# Altium PCB sensor.PcbDoc (part 1 of 3)
Units mil, origin at the board's own origin, x right, y up, seen from the top; angles counter-clockwise.
Board outline 3543.31 x 2755.91 mil, 6 copper layers (TOP, GND1, Sig1, Sig2, GND2, BOT), stack 32.112 mil thick; 126 components, 166 nets, 714 pads, 273 vias.
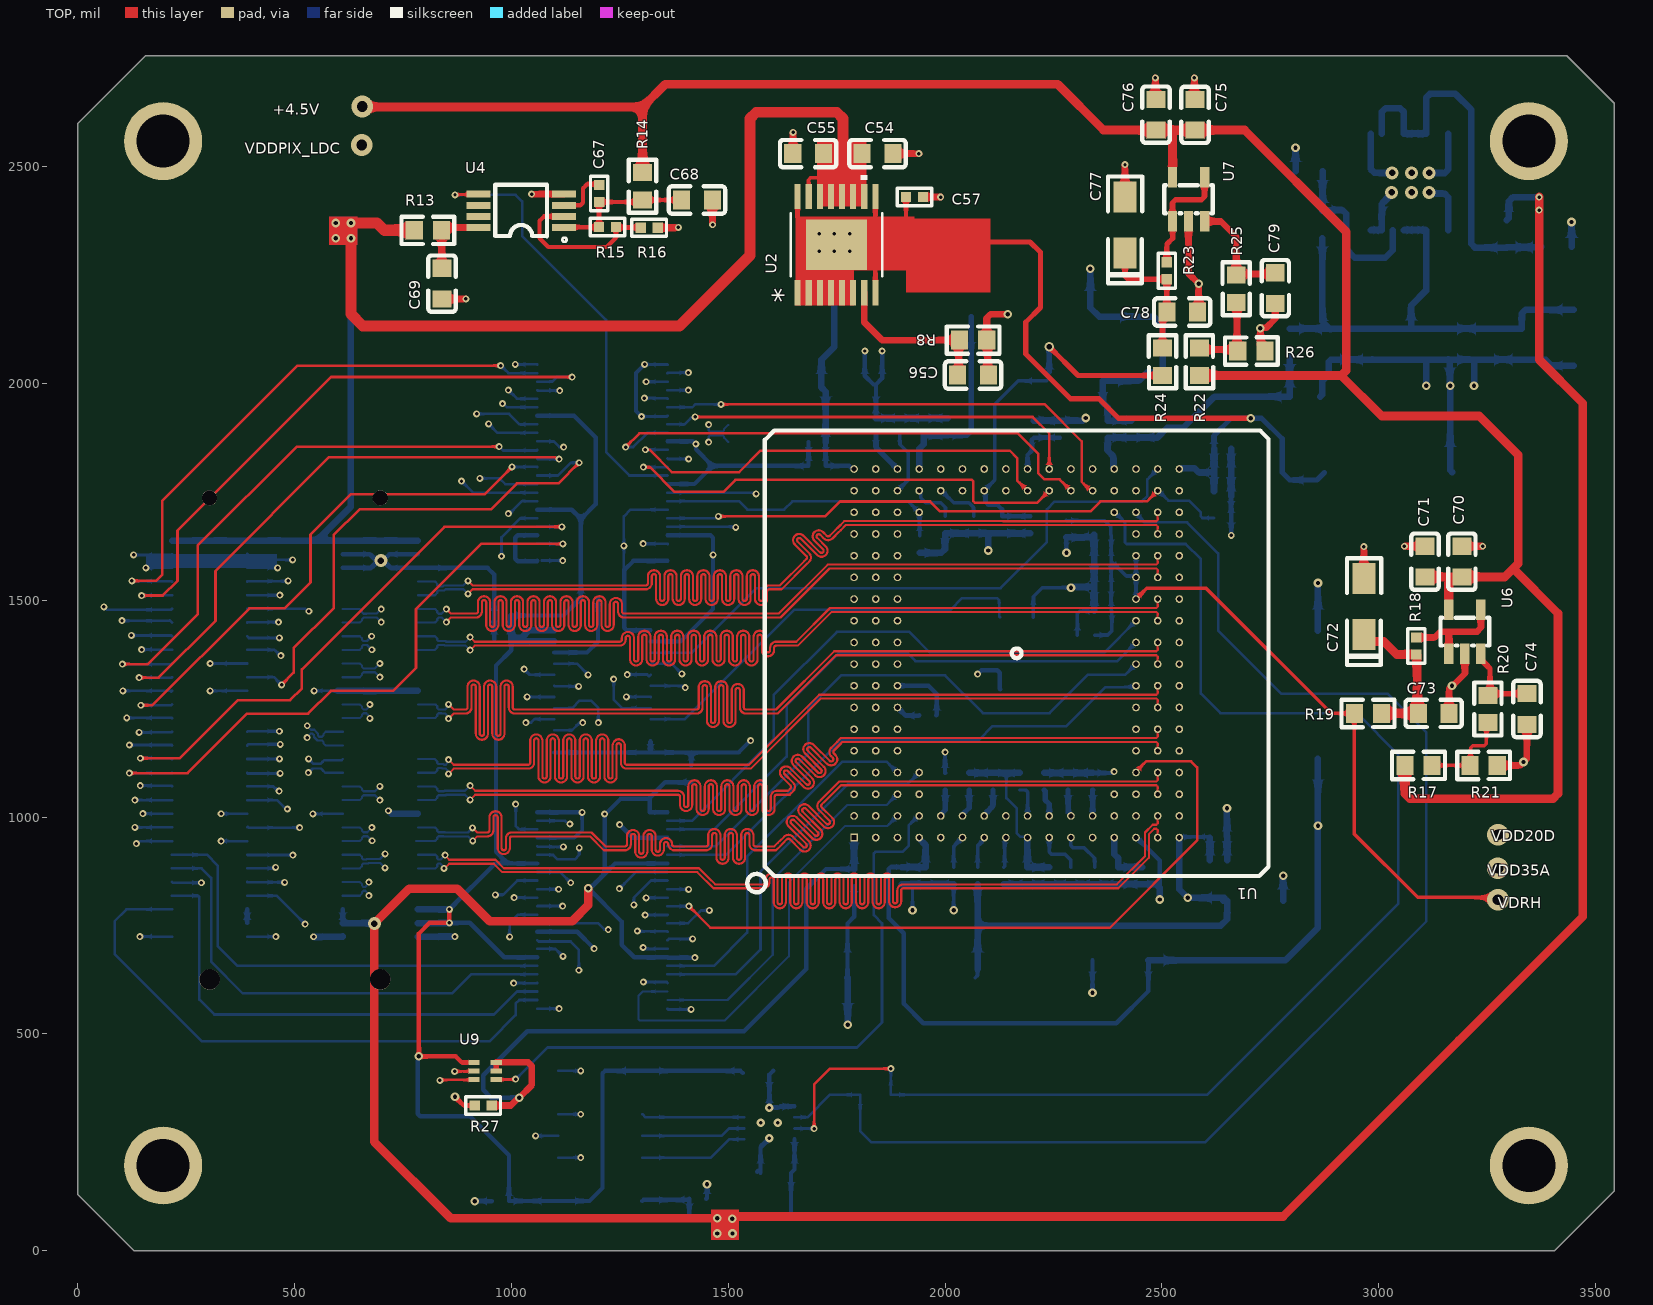
[diagram p0: TOP view]
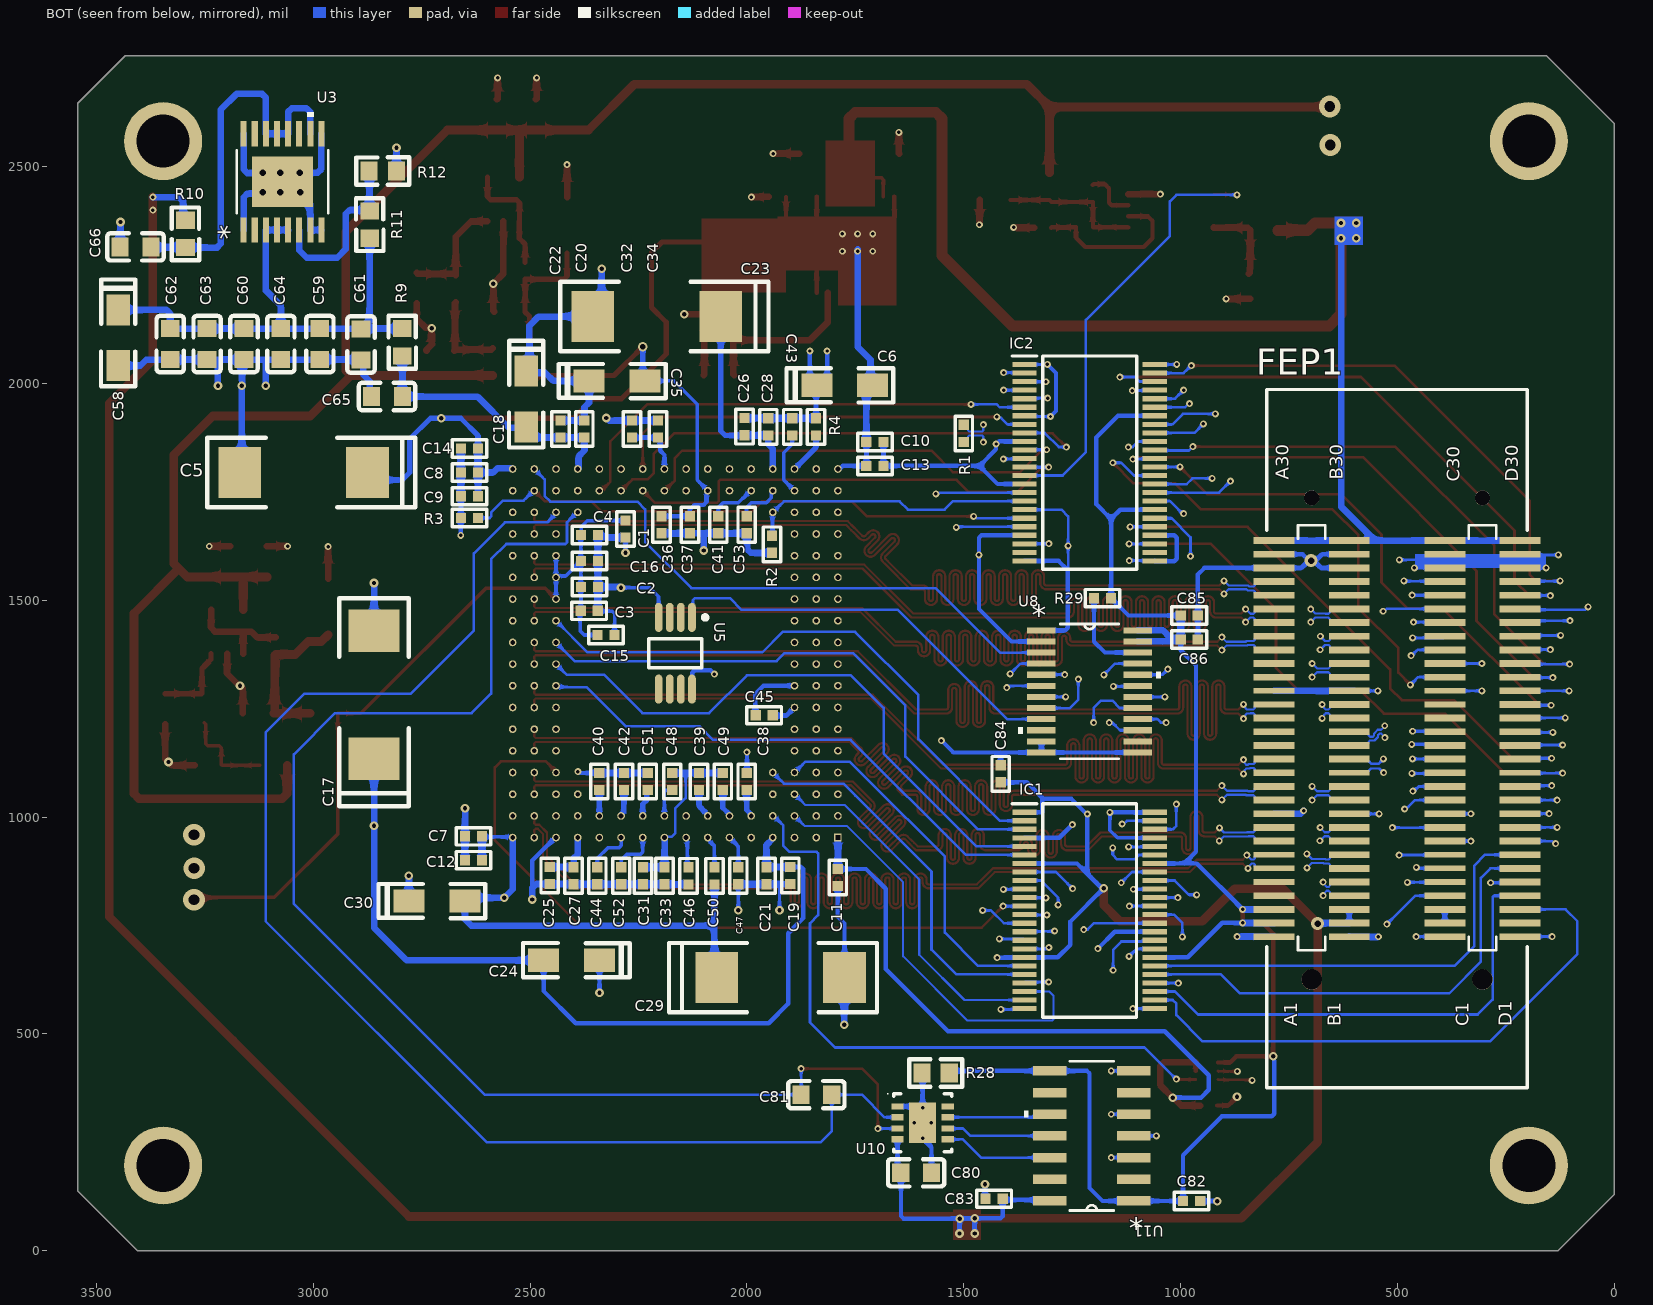
[diagram p1: BOT view, seen from below]
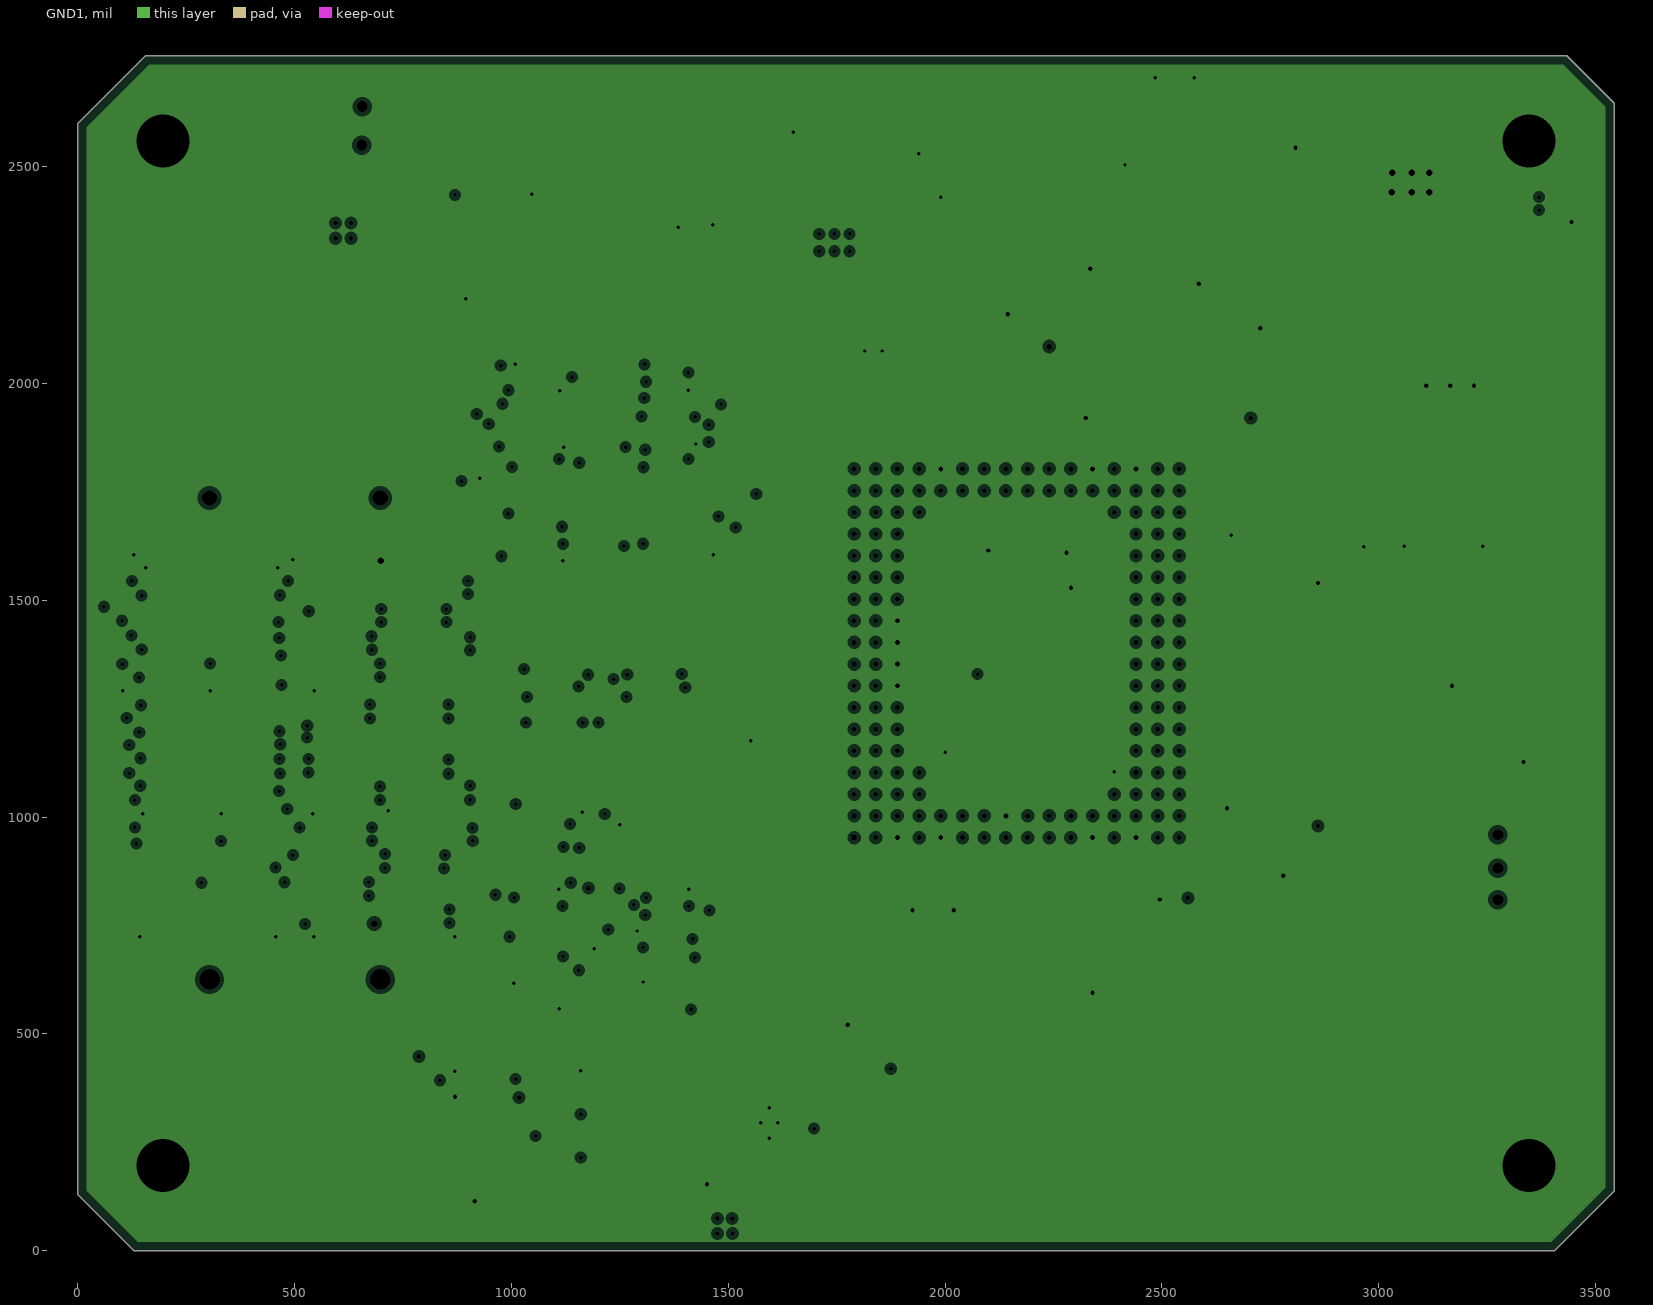
[diagram p2: GND1, clearances drawn from the general rule]
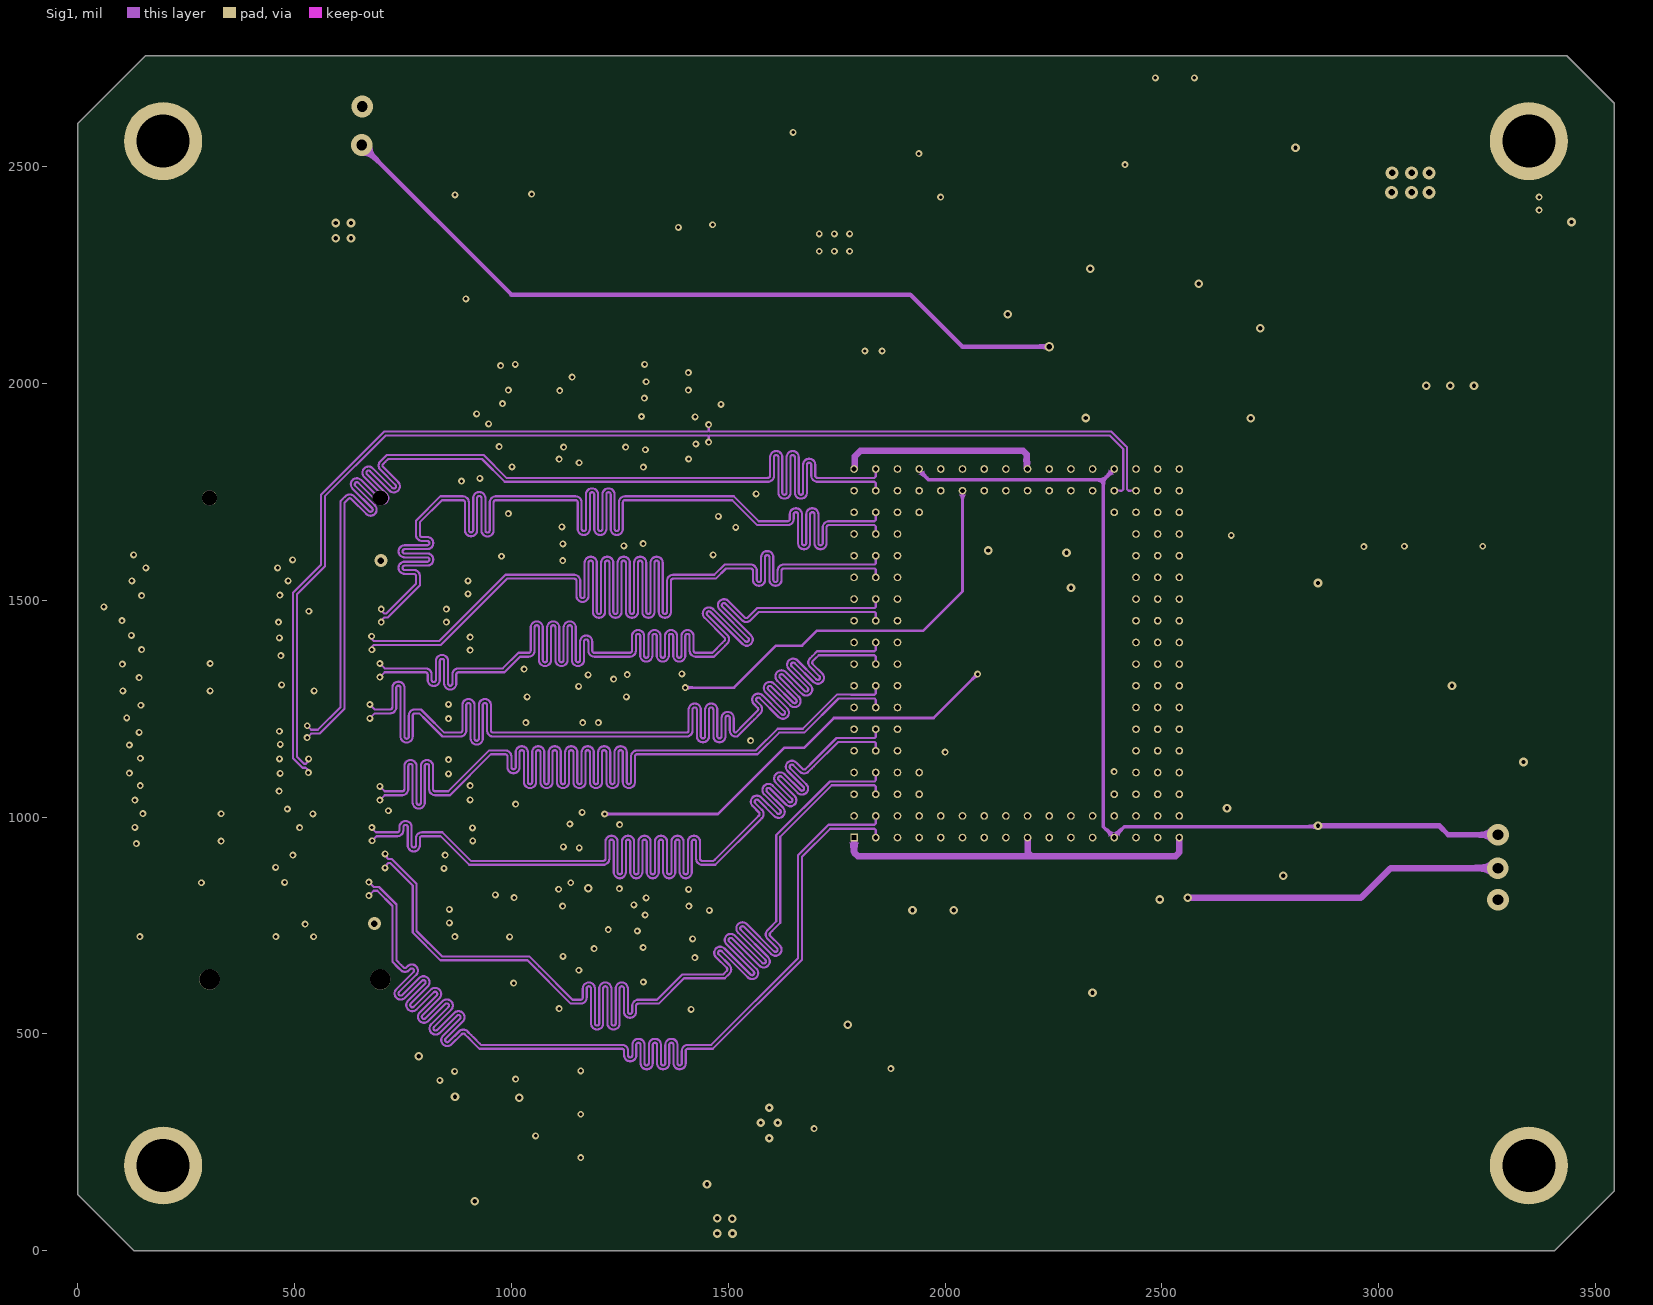
[diagram p3: Sig1]
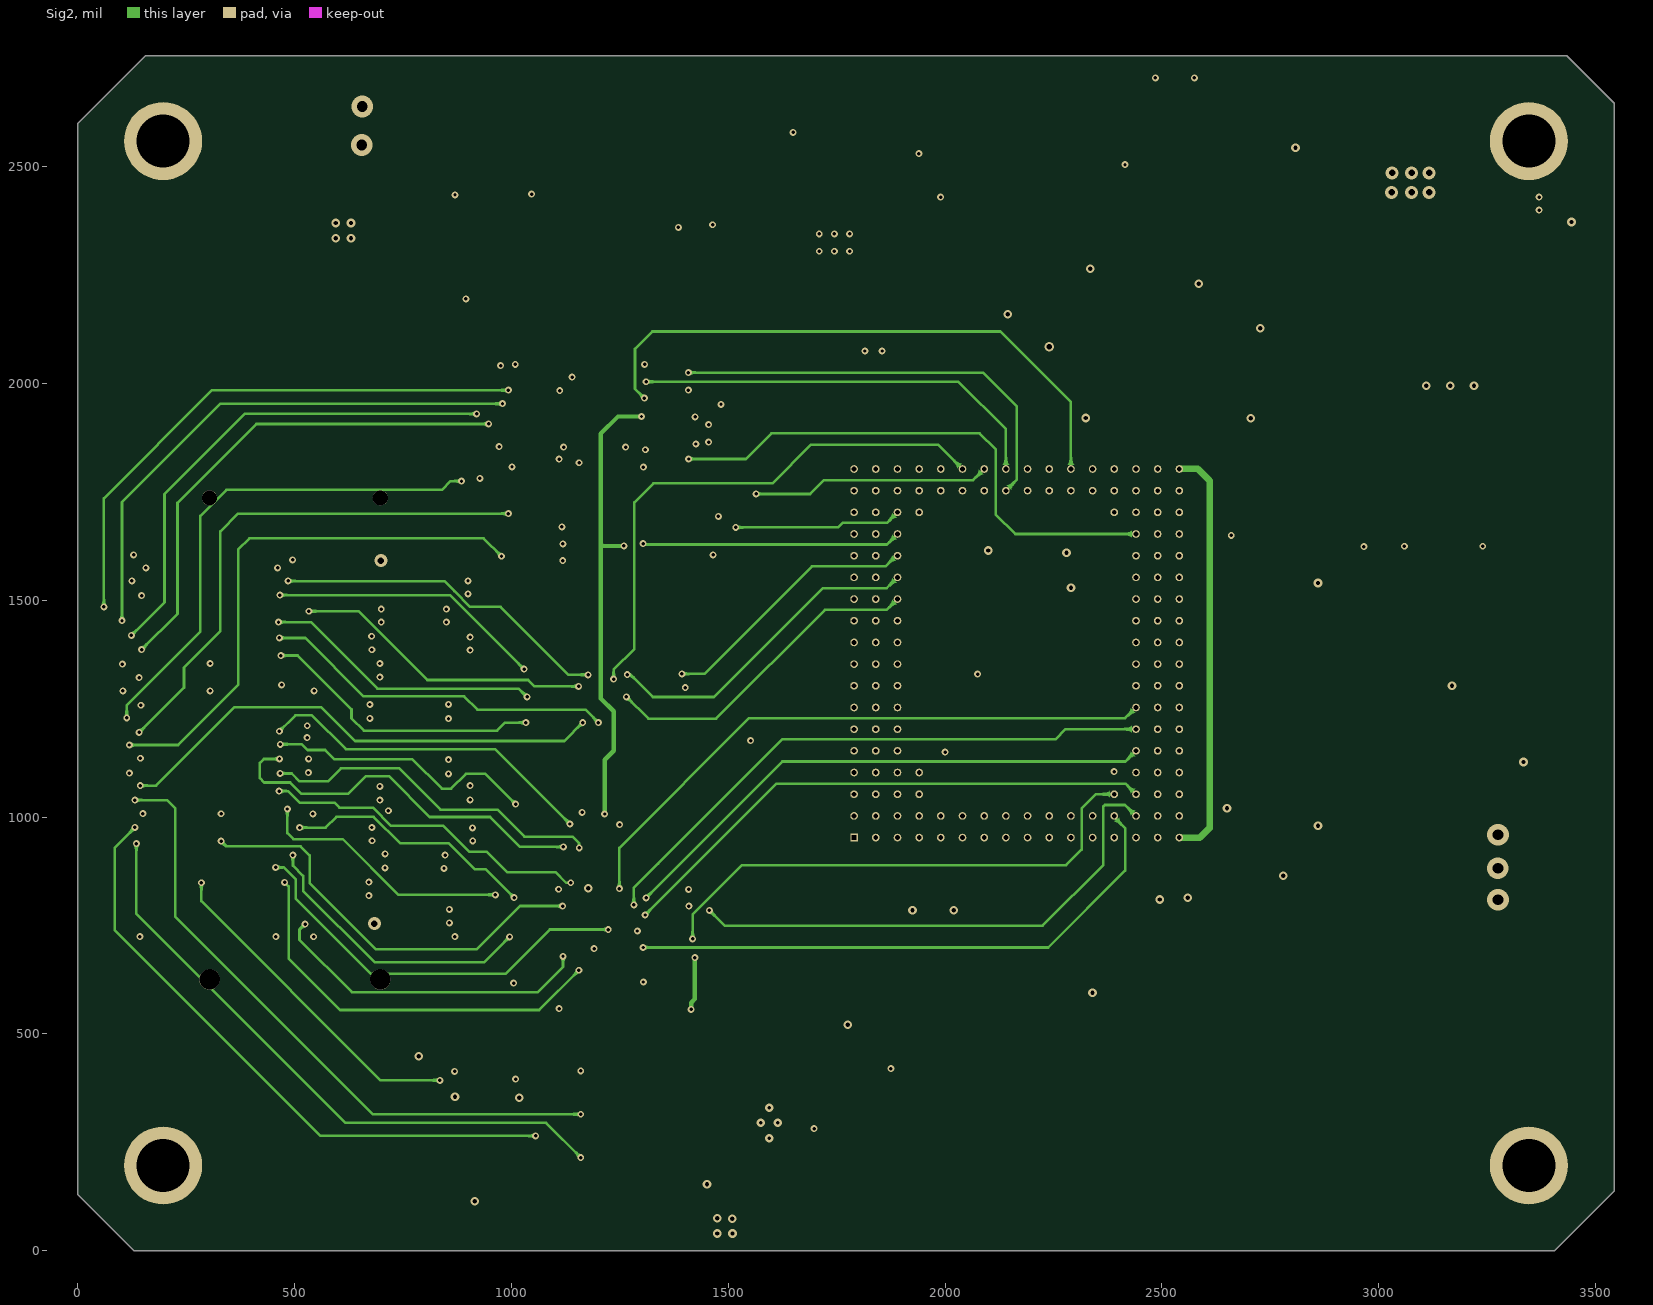
[diagram p4: Sig2]
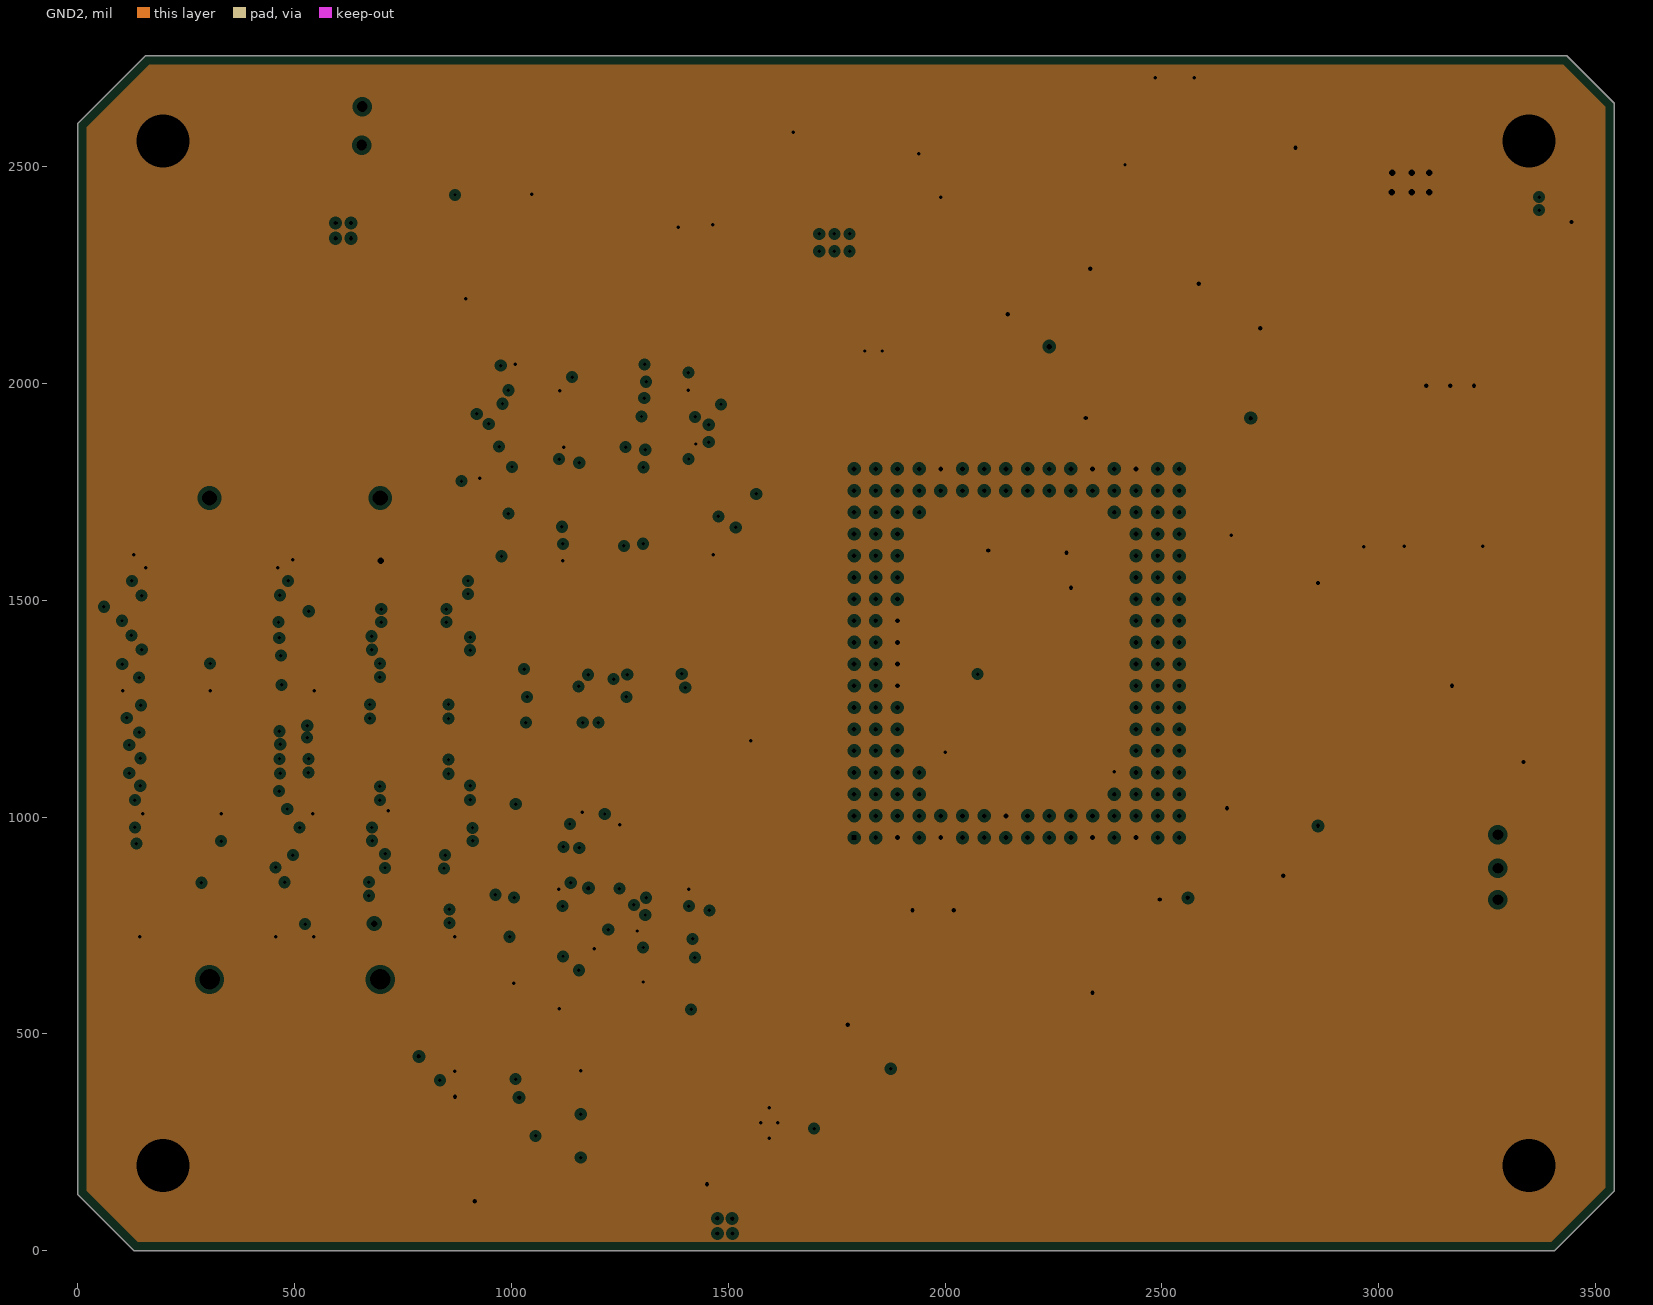
[diagram p5: GND2, clearances drawn from the general rule]

## Layer stack, top to bottom
Top Solder: solder mask 0.4, Solder Resist, Dk 3.5
TOP: signal copper 1.4
Dielectric 2: prepreg 2.8, PP-006, Dk 4.1
GND1: plane copper 1.378, net GND
Dielectric 4: prepreg 2.8, PP-006, Dk 4.1
Sig1: signal copper 1.378
Dielectric 1: dielectric 12.6, FR-4, Dk 4.8
Sig2: signal copper 1.378
Dielectric 5: prepreg 2.8, PP-006, Dk 4.1
GND2: plane copper 1.378, net GND
Dielectric 3: prepreg 2.8, PP-006, Dk 4.1
BOT: signal copper 1.4
Bottom Solder: solder mask 0.4, Solder Resist, Dk 3.5

## Board outline
130,0 0,130 0,2599.45 156.46,2755.91 3433.54,2755.91 3543.31,2646.14 3543.31,137.76 3405.55,0

## Design rules (kind name [scope] priority, off if disabled: settings)
Clearance Clearance_1 [All vs InNet('GND')] p1: gap=6 ignorepadtopadclearanceinfootprint=FALSE except(0: Arc-Hole Track-Hole Via-Hole Fill-Hole Poly-Hole Region-Hole Text-Hole; 4: Arc-Arc Arc-Track Arc-SMDPad Arc-THPad Track-Track Track-SMDPad Track-THPad; 5: SMDPad-SMDPad SMDPad-THPad THPad-THPad; 8: SMDPad-Hole)
Clearance [All] p2: gap=6 ignorepadtopadclearanceinfootprint=FALSE except(0: Arc-Hole Track-Hole Via-Hole Fill-Hole Poly-Hole Region-Hole Text-Hole; 4: Arc-Arc Arc-Track Track-Track; 5: Arc-SMDPad Arc-THPad Track-SMDPad Track-THPad; 8: SMDPad-Hole)
DiffPairsRouting [All] p1: maxlimit=10 minlimit=4 mostfreqgap=4 toplayer_minwidth=5 toplayer_maxwidth=15 toplayer_prefwidth=5 midlayer1_minwidth=5 midlayer1_maxwidth=15 midlayer1_prefwidth=5 midlayer2_minwidth=5 midlayer2_maxwidth=15 midlayer2_prefwidth=5 bottomlayer_minwidth=5 bottomlayer_maxwidth=15 bottomlayer_prefwidth=5 maxuncoupledlength=500
FanoutControl Fanout_Default [All] p5: bgadir=Out bgaviamode=Closest fanoutstyle=Rows fanoutdirection=OutOnly viagrid=1 // Fanout_Default (Default Rule)
HoleSize [All] p1: absolutevalues=TRUE maxlimit=200 minlimit=1 maxpercent=80.000 minpercent=20.000
HoleToHoleClearance [All] p1: gap=6 allowstackedmicrovias=TRUE
MinimumSolderMaskSliver [All] p1: minsoldermaskwidth=1.5
PlaneClearance diff [InNetClass('Diff')] p1: clearance=8
PlaneClearance Power [InNetClass('PWR')] p2: clearance=12
PlaneClearance signal [All] p3: clearance=10
PlaneConnect [All] p1: planeconnectstyle=Direct reliefexpansion=20 reliefentries=4 reliefconductorwidth=10 reliefairgap=10
PolygonConnect [All] p1: connectstyle=Direct reliefconductorwidth=10 reliefentries=4 polygonreliefangle="90 Angle" airgapwidth=10
RoutingVias [All] p1: holewidth=8 width=16 viastyle="Through Hole" minholewidth=6 minwidth=12 maxholewidth=28 maxwidth=50
SilkToSilkClearance [All] p1: silktosilkclearance=0
SilkToSolderMaskClearance [IsPad] p1: minsilkscreentomaskgap=0 clearancetoexposedcopper=TRUE
SolderMaskExpansion [All] p1: expansion=4 istentingtop=FALSE
UnRoutedNet [All] p1: checkbadconnections=TRUE
Width [All] p1: maxlimit=40 minlimit=5 preferedwidth=6 minimp=50.000000 maximp=50.000000 favimp=50.000000
20 further rules are at their usual default settings.

## Classes and differential pairs
net class Diff: CLKIN_N CLKIN_P CLKOUT_N CLKOUT_P OUT0_BOT_N OUT0_BOT_P OUT0_TOP_N OUT0_TOP_P OUT1_BOT_N OUT1_BOT_P OUT1_TOP_N OUT1_TOP_P OUT2_BOT_N OUT2_BOT_P OUT2_TOP_N OUT2_TOP_P OUT3_BOT_N OUT3_BOT_P OUT3_TOP_N OUT3_TOP_P OUT4_BOT_N OUT4_BOT_P OUT4_TOP_N OUT4_TOP_P OUT5_BOT_N OUT5_BOT_P OUT5_TOP_N OUT5_TOP_P OUT6_BOT_N OUT6_BOT_P OUT6_TOP_N OUT6_TOP_P OUT7_BOT_N OUT7_BOT_P OUT7_TOP_N OUT7_TOP_P
component class Sensor: C1 C2 C3 C4 C5 C6 C7 C8 C9 C10 C11 C12 C13 C14 C15 C16 C17 C18 C19 C20 C21 C22 C23 C24 C25 C26 C27 C28 C29 C30 C31 C32 C33 C34 C35 C36 C37 C38 C39 C40 C41 C42 C43 C44 C45 C46 C47 C48 C49 C50 C51 C52 C53 FEP1 q R1 R2 R3 R4
component class Sensor_Power_Supply: C54 C55 C56 C57 C58 C59 C60 C61 C62 C63 C64 C65 C66 C67 C68 C69 C70 C71 C72 C73 C74 C75 C76 C77 C78 C79 C80 C81 C82 C83 C84 C85 C86 IC1 IC2 R8 R9 R10 R11 R12 R13 R14 R15 R16 R17 R18 R19 R20 R21 R22 R23 R24 R25 R26 R27 R28 R29 U2 U3 U4 U5 U6 U7 U8 U9 U10 U11
differential pair OUT7_TOP: +OUT7_TOP_P -OUT7_TOP_N
differential pair OUT7_BOT: +OUT7_BOT_P -OUT7_BOT_N
differential pair OUT6_TOP: +OUT6_TOP_P -OUT6_TOP_N
differential pair OUT6_BOT: +OUT6_BOT_P -OUT6_BOT_N
differential pair OUT5_TOP: +OUT5_TOP_P -OUT5_TOP_N
differential pair OUT5_BOT: +OUT5_BOT_P -OUT5_BOT_N
differential pair OUT4_TOP: +OUT4_TOP_P -OUT4_TOP_N
differential pair OUT4_BOT: +OUT4_BOT_P -OUT4_BOT_N
differential pair OUT3_TOP: +OUT3_TOP_P -OUT3_TOP_N
differential pair OUT3_BOT: +OUT3_BOT_P -OUT3_BOT_N
differential pair OUT2_TOP: +OUT2_TOP_P -OUT2_TOP_N
differential pair OUT2_BOT: +OUT2_BOT_P -OUT2_BOT_N
differential pair OUT1_TOP: +OUT1_TOP_P -OUT1_TOP_N
differential pair OUT1_BOT: +OUT1_BOT_P -OUT1_BOT_N
differential pair OUT0_TOP: +OUT0_TOP_P -OUT0_TOP_N
differential pair OUT0_BOT: +OUT0_BOT_P -OUT0_BOT_N
differential pair CLKOUT: +CLKOUT_P -CLKOUT_N
differential pair CLKIN: +CLKIN_P -CLKIN_N

## Components (designator, comment, footprint, x,y, rotation, side; value= is the part's Value field where it differs from the comment)
C1 "4.7uF" CAP0402 2280,1664.69 r90 bottom
C2 "100nF" CAP0402 2363.23,1530.91 r0 bottom
C3 "4.7uF" CAP0402 2363.86,1475.91 r0 bottom
C4 "100nF" CAP0402 2363.23,1650.91 r0 bottom
C5 "470u" CAPPM3528X210N 3020,1800 r180 bottom
C6 "100uF" CASE-A_3216 1770,1995 r0 bottom
C7 "4.7uF" CAP0402 2630.71,955.91 r180 bottom
C8 "4.7uF" CAP0402 2640,1795 r180 bottom
C9 "4.7uF" CAP0402 2640,1740 r180 bottom
C10 "4.7uF" CAP0402 1705,1865 r0 bottom
C11 "100nF" CAP0402 1790.41,860.74 r90 bottom
C12 "100nF" CAP0402 2630.71,900.91 r180 bottom
C13 "100nF" CAP0402 1705,1810 r0 bottom
C14 "100nF" CAP0402 2640,1850 r180 bottom
C15 "4.7uF" CAP0402 2325,1420 r0 bottom
C16 "100nF" CAP0402 2363.23,1590.91 r0 bottom
C17 "470u" CAPPM3528X210N 2855,1280 r270 bottom
C18 "100uF" CASE-A_3216 2510,1960 r90 bottom
C19 "4.7uF" CAP0402 1900,865.31 r90 bottom
C20 "4.7uF" CAP0402 2375,1895 r270 bottom
C21 "100nF" CAP0402 1955,865 r90 bottom
C22 "100nF" CAP0402 2430,1895 r270 bottom
C23 "470uF" CAPPM3528X210N 2205.4,2159.45 r180 bottom
C24 "100uF" CASE-A_3216 2409,671 r180 bottom
C25 "4.7uF" CAP0402 2455,865.31 r90 bottom
C26 "4.7uF" CAP0402 2005.71,1900.59 r270 bottom
C27 "100nF" CAP0402 2400,865 r90 bottom
C28 "100nF" CAP0402 1950.71,1900.08 r270 bottom
C29 "470u" CAPPM3528X210N 1925,625 r0 bottom
C30 "100uF" CASE-A_3216 2710.71,805.91 r0 bottom
C31 "4.7uF" CAP0402 2240,865 r90 bottom
C32 "4.7uF" CAP0402 2265,1895 r270 bottom
C33 "100nF" CAP0402 2190,865 r90 bottom
C34 "100nF" CAP0402 2205,1895 r270 bottom
C35 "100uF" CASE-A_3216 2295,2005 r0 bottom
C36 "4.7uF" CAP0402 2197.07,1674.25 r90 bottom
C37 "100nF" CAP0402 2131.62,1674.25 r90 bottom
C38 "100nF" CAP0402 2000.71,1082.33 r90 bottom
C39 "1uF" CAP0402 2110.71,1082.33 r90 bottom
C40 "1uF" CAP0402 2340.48,1082.33 r90 bottom
C41 "100nF" CAP0402 2066.16,1674.25 r270 bottom
C42 "1uF" CAP0402 2283.86,1082.33 r90 bottom
C43 "100nF" CAP0402 1895.71,1900.08 r90 bottom
C44 "1uF" CAP0402 2345,865 r270 bottom
C45 "100nF" CAP0402 1960.31,1235 r0 bottom
C46 "1uF" CAP0402 2135,864.69 r270 bottom
C47 "100nF" CAP0402 2020,865 r270 bottom
C48 "100nF" CAP0402 2172.29,1082.33 r90 bottom
C49 "100nF" CAP0402 2055.71,1082.33 r90 bottom
C50 "1uF" CAP0402 2075,864.69 r270 bottom
C51 "100nF" CAP0402 2228.59,1082.33 r90 bottom
C52 "100nF" CAP0402 2290,865 r270 bottom
C53 "100nF" CAP0402 2000.71,1674.25 r270 bottom
C54 "4.7uF" C0603 1844.25,2530.16 r180 top
C55 "10uF" C0603 1684.25,2530.16 r0 top
C56 "100nF" C0603 2064.69,2019.61 r180 top
C57 "10uF" CAP0402 1929.69,2430.16 r180 top
C58 "150uF" CASE-A_3216 3451,2101 r90 bottom
C59 "1uF" C0603 2985,2091 r90 bottom
C60 "1uF" C0603 3160,2091 r90 bottom
C61 "1uF" C0603 2890,2090 r90 bottom
C62 "1uF" C0603 3330,2091 r90 bottom
C63 "1uF" C0603 3245,2091 r90 bottom
C64 "1uF" C0603 3075,2091 r90 bottom
C65 "1uF" C0603 2830,1970 r180 bottom
C66 "10uF" C0603 3410,2315 r180 bottom
C67 "10nF" CAP0402 1202.5,2438.2 r90 top
C68 "10uF" C0603 1427.93,2423.2 r0 top
C69 "1uF" C0603 840,2230.43 r90 top
C70 "100nF" C0603 3191.89,1589.37 r270 top
C71 "4.7uF" C0603 3106.89,1589.37 r270 top
C72 "33uF" CASE-A_3216 2966.89,1489.92 r270 top
C73 "4.7uF" C0603 3126.89,1239.37 r180 top
C74 "4.7uF" C0603 3341.89,1249.37 r90 top
C75 "100nF" C0603 2576.55,2619.57 r270 top
C76 "4.7uF" C0603 2486.55,2620 r270 top
C77 "33uF" CASE-A_3216 2416,2370 r270 top
C78 "4.7uF" C0603 2546.99,2165 r180 top
C79 "4.7uF" C0603 2761.55,2220 r90 top
C80 "100nF" C0603 1610,180 r0 bottom
C81 "2200p" C0603 1840,360 r0 bottom
C82 "1uF" CAP0402 974.69,115 r0 bottom
C83 "1uF" CAP0402 1430,120 r180 bottom
C84 "100nF" CAP0402 1415,1100 r270 bottom
C85 "1uF" CAP0402 980,1465 r0 bottom
C86 "100nF" CAP0402 980,1410 r0 bottom
FEP1 "FEP" FEP-X2 500.94,488.19 r0 bottom locked
IC1 "74ALVC164245DGG,11" SOP50P810X120-48N 1210,785 r180 bottom
IC2 "74ALVC164245DGG,11" SOP50P810X120-48N 1209.92,1817.32 r180 bottom